# Altium PCB PCB2.PcbDoc (part 3 of 3) (continued)
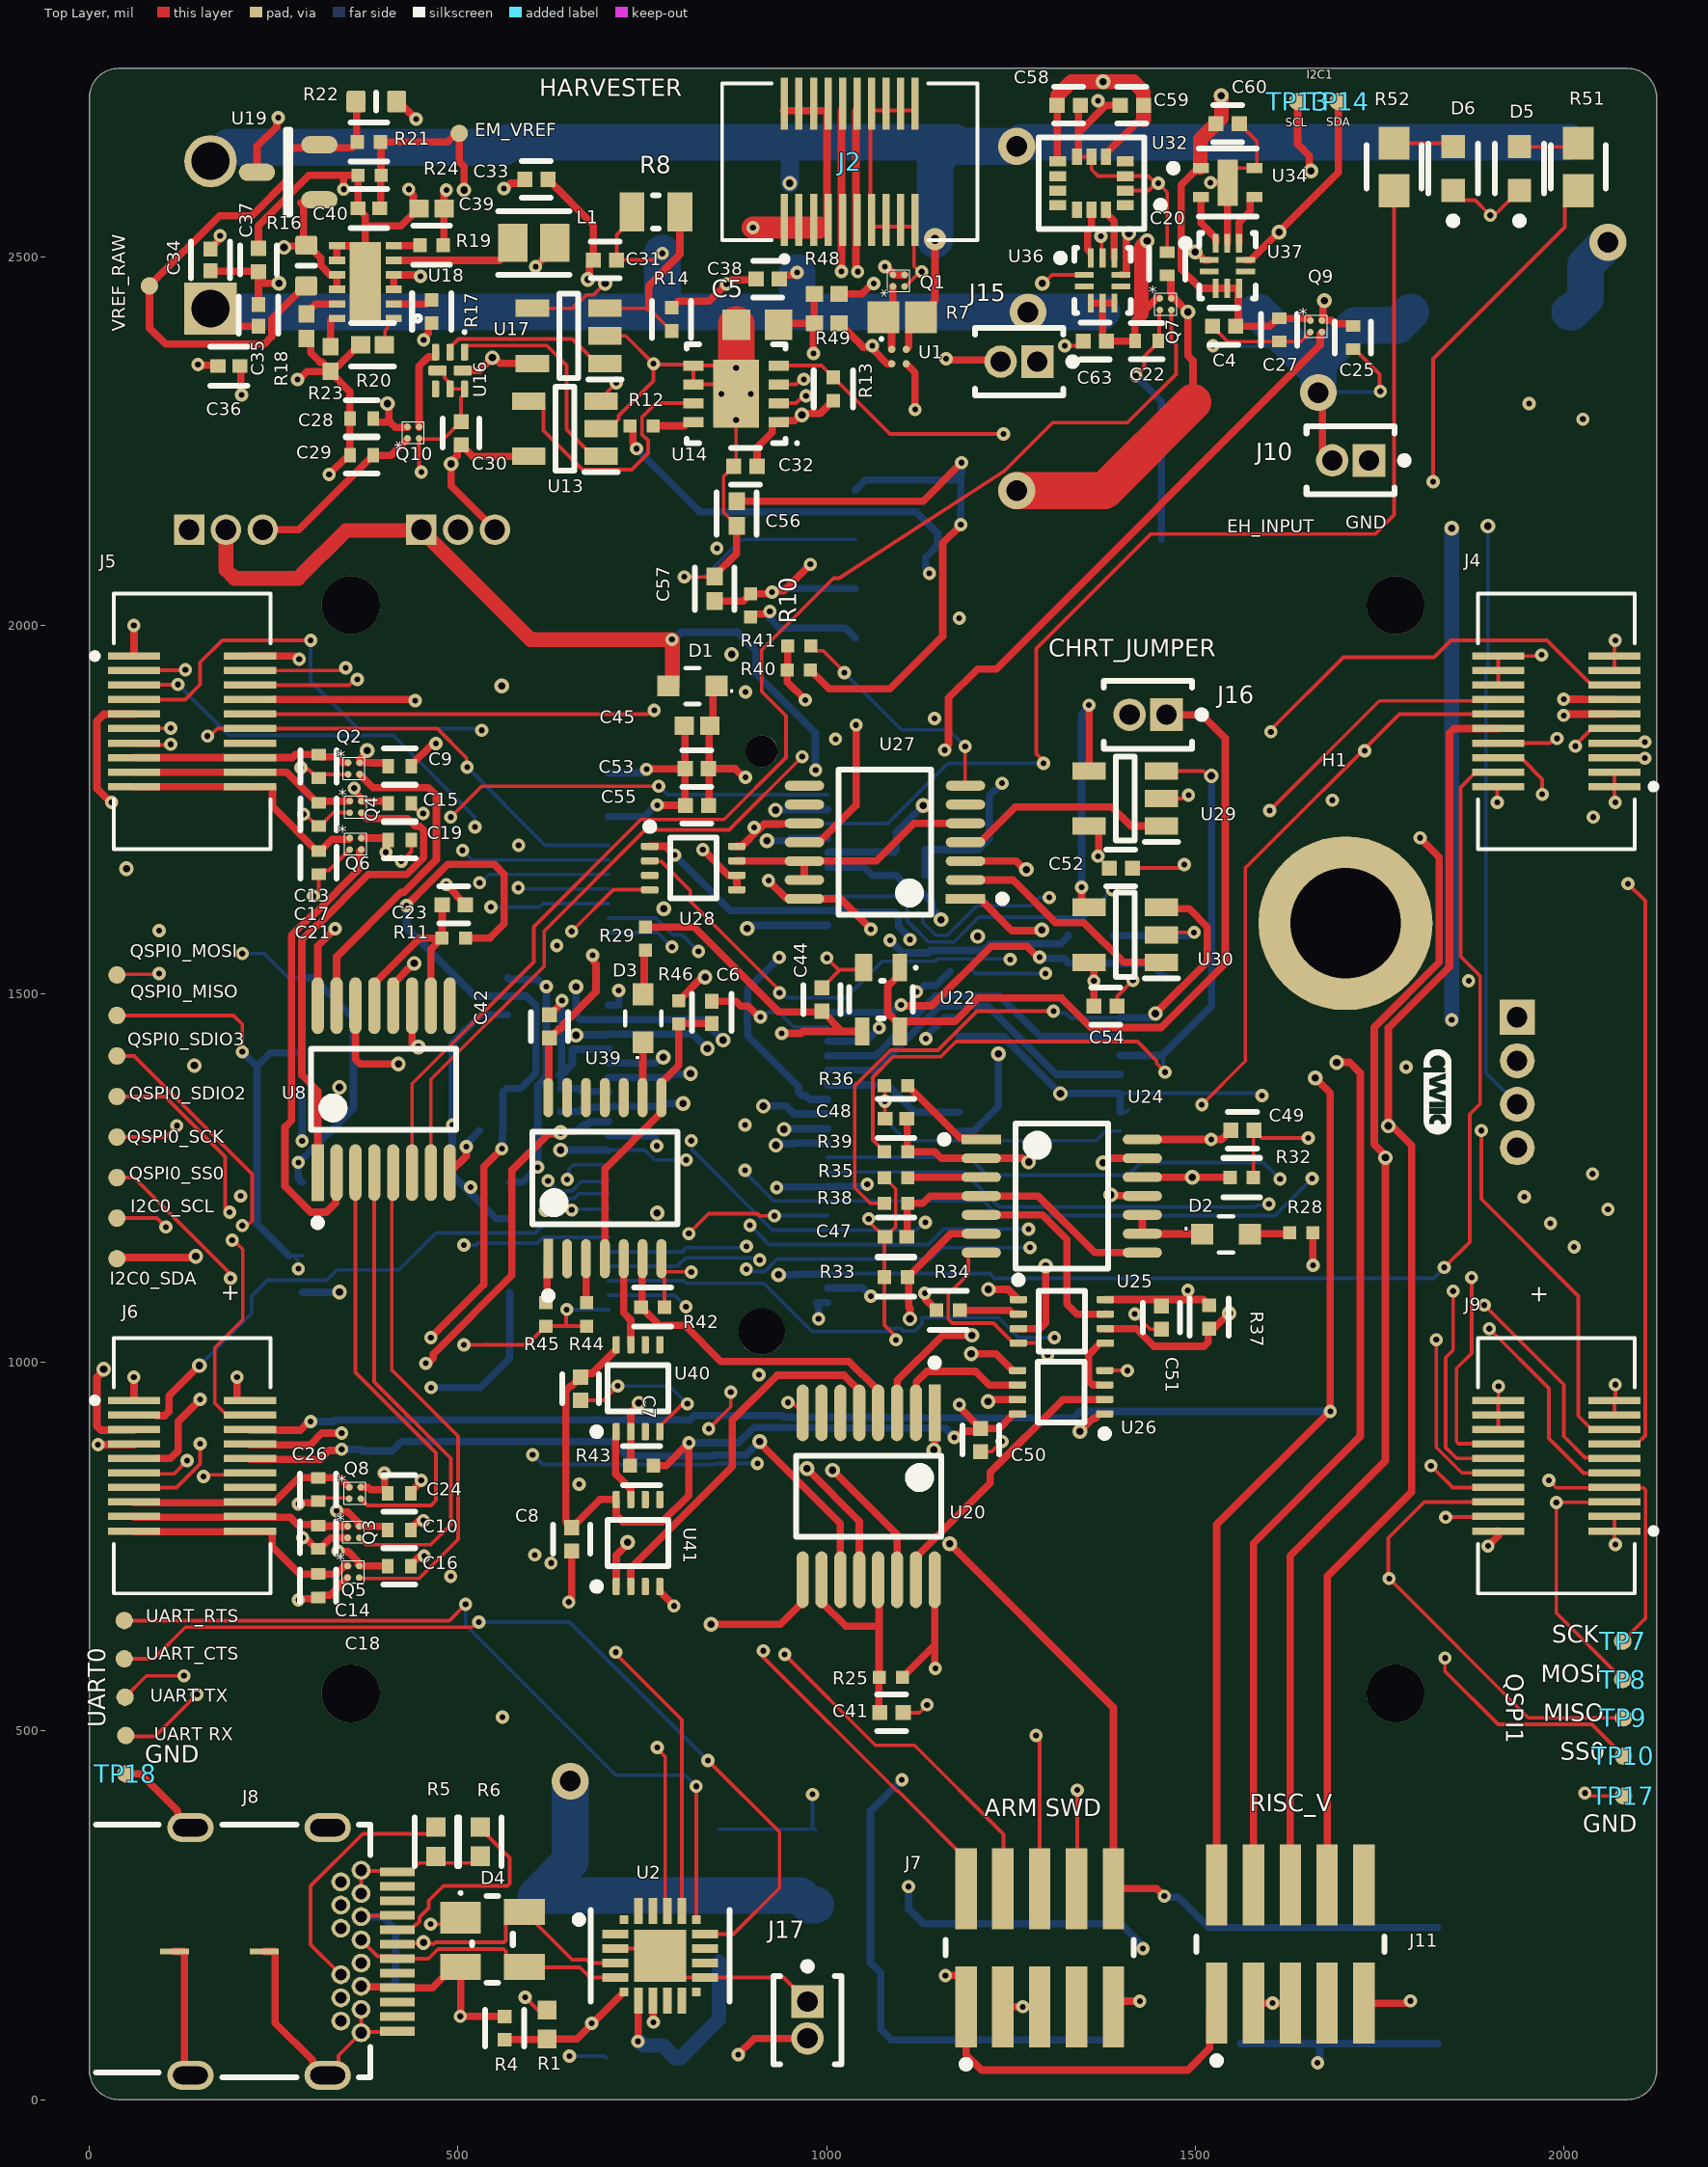
[diagram p0: Top Layer view]
## Nets (pads, with @x,y where several pads share a name; then routed paths per layer and width w, separated by ;. In a path a pad name is that pad's centre, name@x,y a point inside that pad or via, vN(x,y) a via of type N, cw(c..) or ccw(c..) an arc to the next point about the centre after c; other vN are vias at no path point) (continued)
  Int1 (GND) w5: v1(118.39,1321.41) 491.52,1321.41 v1(492.33,1322.23) ; v1(517,1237.94) 519.49,1235.46 531.67,1235.46 536,1231.13 643.63,1231.13 645.3,1232.8 654.51,1232.8 671.11,1249.4 877.49,1249.4 889.03,1260.94 v1(889.28,1260.94) ; v1(972.02,2311.48) 1205.42,2311.48 1221.45,2295.45 1522.66,2295.45 1538.17,2279.94 v1(2026.09,2279.94) ; v1(1658.68,1249.69) 1660.23,1251.24 2030.87,1251.24 2035.58,1255.94 v1(2039.09,1255.94) ; v1(2040,1740) 2040,1772 v1(2110,1842)
  Int2 (PWR) w5: v1(2026.09,2279.94) 2110,2196.04 v1(2110,1842) ; v1(2039.09,1255.94) 2039.55,1256.4 2039.55,1739.55 v1(2040,1740)
  Bottom Layer w5: v1(889.28,1260.94) 889.28,1258.25 928.29,1219.24 J1.60@1001.34,1219.24 1213.11,1219.24 1232.91,1199.44 1608.43,1199.44 v1(1658.68,1249.69)
  Bottom Layer w10: v1(517,1237.94) v1@513.08,1234.03 ; U42.6@567.09,1471.94 566.99,1471.84 530.99,1471.84 492.09,1432.94 492.09,1255.02 v1@513.08,1234.03 ; U33.6@569.93,1194.9 552.21,1194.9 v1@513.08,1234.03
QSPI0_SDIO2: J1.66 J4.8 QSPI0_SDIO2.1 | length 2856.6
  Top Layer w5: QSPI0_SDIO2.1@37.09,1360.94 102.43,1360.94 184.09,1279.28 184.09,1209.94 v1(190.09,1203.94) ; J4.8@1911.26,1840.47 1981.17,1840.47 1987.36,1846.66 v1(1990.88,1846.66) v1@1990.16,1845.94
  Int1 (GND) w5: v1(190.09,1203.94) 402.62,1203.94 415.69,1190.87 659.94,1190.87 697.51,1228.44 849.59,1228.44 892.09,1185.94 895.76,1185.94 v1(896.06,1186.24) ; v1(1274.09,1180.94) 1282.09,1188.94 v1(1982.09,1188.94)
  Int2 (PWR) w5: v1(1982.09,1188.94) 1990.88,1197.73 v1(1990.88,1846.66)
  Bottom Layer w5: v1(896.06,1186.24) 922.11,1160.19 J1.66@1001.34,1160.19 1137.89,1160.19 1158.64,1180.94 v1(1274.09,1180.94)
QSPI0_SDIO3: J1.68 J4.9 QSPI0_SDIO3.1 | length 2952.8
  Top Layer w5: QSPI0_SDIO3.1@37.09,1415.94 60.16,1415.94 220.59,1255.51 220.59,1192.44 216.09,1187.94 209.16,1187.94 v1(207.21,1186) ; v1(2015.9,1836.18) 2015.9,1837.83 2038.23,1860.16 J4.9@2068.74,1860.16
  Int1 (GND) w5: v1(207.21,1186) 407.84,1186 411.96,1181.87 663.67,1181.87 701.24,1219.44 793.59,1219.44 888.09,1124.94 889.37,1124.94 v1(891.07,1126.64) ; v1(1276.09,1155.94) 1277.09,1156.94 v1(2014.09,1156.94)
  Int2 (PWR) w5: v1(2014.09,1156.94) 2016.06,1158.91 2015,1159.97 2015,1835.27 v1(2015.9,1836.18)
  Bottom Layer w5: v1(891.07,1126.64) 894.59,1126.64 897.65,1123.58 915.96,1123.58 932.88,1140.5 J1.68@1001.34,1140.5 1141.54,1140.5 1156.98,1155.94 v1(1276.09,1155.94)
QSPI0_SS0: J1.70 J4.4 QSPI0_SS0.1 U33.1 | length 2680.8
  Top Layer w5: QSPI0_SS0.1@37.09,1250.94 60.43,1250.94 188.69,1122.68 188.69,1116.84 v1(191.18,1114.35) ; v1(1838.09,1128.94) 1872.69,1163.54 1872.69,1337.03 1886.59,1350.93 1886.59,1524.42 1860,1551.01 1860,1780.35 1880.75,1801.1 J4.4@1911.26,1801.1
  Int1 (GND) w5: v1(191.18,1114.35) 209.71,1095.82 v2(339,1095.82)
  Int1 (GND) w10: v2(339,1095.82) 907.97,1095.82 931.11,1118.96 v2(934.67,1118.96)
  Bottom Layer w5: J1.70@1000.44,1119.92 J1.70@1001.34,1120.82 1221.32,1120.82 1227.7,1114.44 1823.59,1114.44 v1(1838.09,1128.94)
  Bottom Layer w10: U33.1@288.61,1094.9 289.07,1095.36 338.54,1095.36 v2(339,1095.82) ; v2(934.67,1118.96) 959.67,1118.96 960.63,1119.92 J1.70@1000.44,1119.92
QSPI1_MISO: J1.61 J9.6 TP9.1 | length 2308.5
  Top Layer w5: J9.6@1911.26,810.79 1810.79,810.79 1762.07,762.07 1762.07,708 v1(1763.15,706.92) 1952.13,517.94 TP9.1@2081.09,517.94
  Int1 (GND) w5: v1(626.09,728) 706.62,728 713.12,721.5 1748.57,721.5 v1(1763.15,706.92)
  Int2 (PWR) w5: v1(626.09,728) 626.09,1178.94 v1(654.09,1206.94)
  Bottom Layer w5: v1(654.09,1206.94) 655.32,1208.17 702.86,1208.17 J1.61@704.09,1209.4
QSPI1_MOSI: J1.59 J9.5 TP8.1 | length 2356.5
  Top Layer w5: J9.5@2068.74,810.79 2068.35,810.39 1990.39,810.39 v1(1990,810) 1990,660.04 TP8.1@2080.09,569.94
  Int1 (GND) w5: v1(604.09,738.94) 606.58,741.43 617.61,741.43 619.67,743.5 703.85,743.5 716.85,730.5 1910.5,730.5 v1(1990,810)
  Int2 (PWR) w5: v1(604.09,738.94) 616.59,751.44 616.59,887.45 610.09,893.95 610.09,1198.19 v1(618.28,1206.37)
  Bottom Layer w5: v1(618.28,1206.37) 634.35,1222.44 656.88,1222.44 663.53,1229.09 J1.59@704.09,1229.09
QSPI1_SCK: J1.57 J9.7 TP7.1 | length 2233
  Top Layer w5: v1(1980,840) 1990,830 2108.17,830 2111.09,827.07 2111.09,652.94 TP7.1@2080.09,621.94
  Int1 (GND) w5: v1(906.09,862.94) 909.61,862.94 919.34,872.67 1130.79,872.67 1163.46,840 v1(1980,840)
  Int2 (PWR) w5: v1(601.09,874.94) 601.09,1228.01 619.72,1246.63 v1(622.03,1246.63)
  Bottom Layer w5: v1(601.09,874.94) 614.29,861.75 849.92,861.75 851.12,862.94 v1(906.09,862.94) ; v1(622.03,1246.63) 635.86,1232.8 654.51,1232.8 667.08,1245.37 700.69,1245.37 J1.57@704.09,1248.77
QSPI1_SS0: J1.55 J9.4 TP10.1 | length 2325.8
  Top Layer w5: v1(1839,599) 1839,581 1911.06,508.94 2038.09,508.94 TP10.1@2081.09,465.94 ; v1(1840,790) 1840.55,790.55 1910.71,790.55 J9.4@1911.26,791.1
  Int1 (GND) w5: v1(664.09,834.94) 664.09,795.98 720.58,739.5 1129.32,739.5 1179.82,790 v1(1840,790)
  Int2 (PWR) w5: v1(648.09,1248.3) 650.58,1245.82 650.58,1232.38 669.59,1213.37 669.59,843.96 664.09,838.46 v1(664.09,834.94) ; v1(1839,599) 1839.5,599.5 1839.5,786.17 1840,786.67 v1(1840,790)
  Bottom Layer w5: v1(648.09,1248.3) 650.58,1250.79 650.58,1262.43 656.61,1268.46 J1.55@704.09,1268.46
RESET: J1.6 J7.10 SW2.B SW2.B' | length 2186.4
  Top Layer w10: v2(1167.09,753.94) 1389.09,531.94 J7.10@1389.09,286.18 1447.86,286.18 v1(1458.09,275.94)
  Int2 (PWR) w10: v2(930.59,1749.52) 971.09,1709.02 971.09,949.94 v2(1167.09,753.94)
  Bottom Layer w10: v2(930.59,1749.52) 931.2,1750.13 1000.73,1750.13 J1.6@1001.34,1750.74 ; v1(1458.09,275.94) 1459.63,274.41 1477.08,274.41 1518.07,233.43 SW2.B@1561.38,233.43 SW2.B'@1829.09,233.43
RV_TCK: J1.41 J6.7 J11.4 | length 3490.3
  Top Layer w10: v1(11.5,888.5) 59.92,888.5 J6.7@60,888.43 ; J11.4@1579.09,291.06 1579.09,754.94 1724.09,899.94 1724.09,1392.94 1709.6,1407.44 1692.54,1407.44 v2(1692.09,1407)
  Int1 (GND) w10: v2(142.09,1402.94) 336.24,1402.94 346.87,1392.31 353.24,1385.94 749.85,1385.94 v2(778.23,1414.32) 823.03,1414.32 839.41,1397.94 967.47,1397.94 970.08,1400.55 1098.15,1400.55 1112.76,1385.94 1246.76,1385.94 1272.82,1412 1478.6,1412 1483.6,1407 v2(1692.09,1407)
  Int2 (PWR) w10: v1(11.5,888.5) 79.05,956.06 79.05,1339.9 v2(142.09,1402.94)
  Bottom Layer w10: J1.41@704.09,1406.25 767.46,1406.25 775.52,1414.32 v2(778.23,1414.32)
RV_TMS: J1.43 J6.6 J11.2 | length 3630.3
  Top Layer w10: J6.6@217.48,908.11 285.95,908.11 297.84,920 v1(300,920) ; J11.2@1529.09,291.06 1529.09,779.96 1683.36,934.23 1683.36,1365.68 v2(1663.09,1385.94)
  Int1 (GND) w10: v2(815.28,1392.01) 817.99,1392.01 826.05,1383.94 973.27,1383.94 975.88,1386.55 1092.35,1386.55 1106.96,1371.94 1252.56,1371.94 1264.56,1383.94 1399.03,1383.94 1406.98,1376 1541.45,1376 1551.39,1385.94 v2(1663.09,1385.94)
  Bottom Layer w10: v1(300,920) 332.22,920 334.54,922.33 814.93,922.33 820.61,928 939.84,928 941.9,925.94 1078.41,925.94 1079.41,924.94 1335.15,924.94 1343.99,933.78 v1(1683.36,933.78) ; J1.43@704.09,1386.57 785.28,1386.57 790.28,1391.58 814.85,1391.58 v2(815.28,1392.01)
SENSOR_VCC: C9.2 C10.1 C15.1 C16.1 C19.1 C20.1 C24.1 C25.1 J3.2 J12.2 Q2.A2 Q3.A2 Q4.A2 Q5.A2 Q6.A2 Q7.A2 Q8.A2 Q9.A2 | length 4423
  Top Layer w8: v1(359.03,1779.28) 359.03,1776.57 368.41,1767.19 368.41,1761.89 Q4.A2@368.61,1761.69
  Top Layer w10: v1(335.09,798.94) 336.63,797.41 350.42,797.41 364.09,783.74 364.09,779.69 Q3.A2@365.84,777.94 381.32,777.94 381.47,777.79 401.47,777.79 404.35,774.91 C10.1@404.35,772.94 ; v1(337.09,744.2) 337.88,743.41 350.85,743.41 364.44,729.82 364.44,725.77 366.18,724.03 403.77,724.03 C16.1@404.35,723.44 ; Q8.A2@367.97,830.82 377.94,830.82 381.47,827.29 C24.1@400,827.29 ; Q6.A2@368.61,1711.69 402.12,1711.69 C19.1@404.99,1708.82 402.12,1705.94 v1(402.12,1692.36) ; Q4.A2@368.61,1761.69 402.12,1761.69 C15.1@404.99,1758.82 ; v2(376.74,1830.32) 376.74,1828.11 366.49,1817.86 Q2.A2@366.49,1813.82 381.96,1813.82 382.12,1813.66 402.12,1813.66 404.99,1810.79 C9.2@404.99,1808.82 ; v1(400,850) C24.1@400,827.29 ; C24.1@404.35,822.44 400,826.79 C24.1@400,827.29 ; C20.1@1462.09,2475.31 1464.06,2475.31 1466.93,2472.44 1466.93,2452.44 1467.76,2451.61 Q7.A2@1467.76,2443.83 1471.54,2443.83 v2(1490.05,2425.32) 1490.05,2366.28 1497,2359.33 1497,2303 ; v2(1675.22,2440.94) 1673.31,2439.03 1673.31,2416.33 1671.97,2414.99 Q9.A2@1671.97,2413.82 1685,2413.82 1689.25,2409.57 1711.22,2409.57 C25.1@1714.09,2406.69
  Top Layer w50: v3(1258,2183) 1377,2183 1497,2303
  Int1 (GND) w20: v2@1489.3,2424.56 v2(1490.05,2425.32) ; v1(1848.09,1464.94) 1898.3,1414.74 1931.8,1414.74 J3.2@1937.01,1409.53
  Int1 (GND) w50: J12.2@500,2130 500.23,2130.23 500.23,2150.47 532.76,2183 v3(1258,2183)
  Int2 (PWR) w10: v1(335.09,798.94) 380,843.85
  Int2 (PWR) w20: v2(1675.22,2440.94) 1848.09,2268.07 v2(1848.09,2131.94)
  Int2 (PWR) w50: v1(337.09,744.2) 380,787.1 380,843.85 380,1890 500,2010 J12.2@500,2130
  Bottom Layer w20: v1(1848.09,1464.94) v2(1848.09,2131.94)
SHIFT_DATA: J1.22 U20.14 | length 1096.1
  Top Layer w10: v2(1008.09,853.94) 1095.47,766.57 U20.14@1095.47,705.32
  Int2 (PWR) w10: v2(892.09,1588.94) 892.09,1443.36 871.28,1422.55 871.28,990.76 v2(1008.09,853.94)
  Bottom Layer w10: v2(892.09,1588.94) 894.8,1588.94 899.12,1593.26 J1.22@1001.34,1593.26
SQWOUT: J1.4 J5.13 J6.13 | length 2122.8
  Top Layer w5: J6.13@60,829.37 61.1,830.47 117.85,830.47 150,862.62 v1(150,890) ; J5.13@60.26,1840.47 62.68,1838.05 96.07,1838.05 96.12,1838 109.21,1838 v1(110,1838.79) ; v1(490,1740) 531.94,1781.94 v1(772.09,1781.94)
  Int1 (GND) w5: v1(110,1838.79) 149.29,1838.79 199.89,1788.19 309.26,1788.19 315.85,1794.78 425.22,1794.78 482.93,1737.07 483.55,1737.07 486.48,1740 v1(490,1740)
  Int2 (PWR) w5: v1(110,1838.79) 110,1458.37 165.59,1402.78 165.59,905.59 v1(150,890)
  Bottom Layer w5: v1(772.09,1781.94) 772.41,1781.94 783.92,1770.43 J1.4@1001.34,1770.43
SWDCLK: J1.21 J7.4 | length 1644.6
  Top Layer w5: v1(943.09,603.94) 1066.34,480.7 1119.34,480.7 1240.09,359.94 1240.09,287.18 J7.4@1227.09,274.18
  Int2 (PWR) w5: v1(826.09,1557.94) 826.09,1539.02 818.59,1531.52 818.59,1416.36 831.78,1403.17 831.78,942.71 824.5,935.43 824.5,901.84 828.67,897.67 828.67,718.37 v1(943.09,603.94)
  Bottom Layer w5: J1.21@704.09,1603.1 768.6,1603.1 791.68,1580.02 804.01,1580.02 v1(826.09,1557.94)
SWDIO: J1.23 J7.2 | length 1600.4
  Top Layer w5: v1(914.09,608.94) 914.09,600.02 1095.67,418.44 1097.18,418.44 1189.09,326.54 J7.2@1189.09,286.18 1189.09,245.83 J7.2@1177.03,233.76
  Int2 (PWR) w5: v1(790.09,1563.94) 794.73,1559.31 794.73,1407.49 788.67,1401.42 788.67,734.37 v1(914.09,608.94)
  Bottom Layer w5: J1.23@704.09,1583.42 770.61,1583.42 v1(790.09,1563.94)
TEMP_SCL: U34.2 U37.1 | length 71
  Top Layer w10: U34.2@1507.68,2581.26 1507.68,2545.87 1528.05,2525.5 U37.1@1528.05,2518.68
TEMP_SDA: U34.3 U37.9 | length 73.6
  Top Layer w10: U37.9@1559.54,2518.68 1559.54,2546.57 1574.69,2561.71 1574.69,2579.37 1576.57,2581.26 U34.3@1580.51,2581.26
TMR3A_IOB: J1.47 J9.15 R31.1 U23.5 U23.6 U23.13 | length 1998.4
  Top Layer w5: v1(1888.19,1314.78) 1888.19,1221.81 2020,1090 2020,927.44 2038.23,909.21 J9.15@2068.74,909.21
  Int1 (GND) w5: v1(1590.57,1362.2) 1615.32,1337.44 1750.26,1337.44 1782.56,1337.45 1801.7,1318.3 1878.76,1318.3 1879.79,1317.27 1885.7,1317.27 v1(1888.19,1314.78)
  Int1 (GND) w10: v2(805.17,1351.53) 891.06,1351.53 906.35,1366.82 994.46,1366.82 1000.19,1372.55 1086.55,1372.55 1101.16,1357.94 1258.36,1357.94 1265.36,1364.94 v2(1317.11,1364.94)
  Bottom Layer w5: U23.6@1398.36,1339.76 1405.75,1339.76 U23.6@1409.64,1343.65 ; U23.5@1398.36,1365.35 1583.89,1365.35 1587.05,1362.2 v1(1590.57,1362.2)
  Bottom Layer w10: R31.1@639.09,1340.11 663.4,1340.11 669.58,1346.3 703.19,1346.3 J1.47@704.09,1347.2 704.23,1347.34 775.17,1347.34 779.35,1351.53 v2(805.17,1351.53) ; U23.13@1179.83,1442.13 1239.93,1442.13 v2(1317.11,1364.94) ; v2@1317.11,1365.35 U23.5@1398.36,1365.35 U23.6@1398.36,1339.76
UART0_CTS: J1.15 J5.5 U2.15 UART_CTS.1 | length 3045.7
  Top Layer w5: UART_CTS.1@47.09,597.94 87.09,597.94 130.09,640.94 518.67,640.94 525.67,647.94 v1(528.09,647.94) ; J5.5@60.26,1919.21 60.65,1919.61 119.61,1919.61 v1(120,1920) ; U2.15@835.18,224.5 873.5,224.5 936,287 936,363 v1(839,460)
  Int2 (PWR) w5: v1(522.76,1726.79) 522.76,1661.8 529.09,1655.46 v1(529.09,1650.94) 529.09,1281.94 532.5,1278.54 532.5,967.2 529.35,964.06 529.35,649.2 v1(528.09,647.94)
  Bottom Layer w5: v1(120,1920) 189.06,1850.94 412.09,1850.94 523.09,1739.94 523.09,1727.12 v1(522.76,1726.79) ; v1(528.09,647.94) 651.06,647.94 v1(839,460) ; v1(529.09,1650.94) 530.99,1650.94 542.21,1662.16 J1.15@704.09,1662.16
UART0_RTS: J1.13 J5.4 U2.16 UART_RTS.1 | length 2782.6
  Top Layer w5: UART_RTS.1@47.09,649.94 488.09,649.94 v1(510.09,671.94) ; J5.4@217.74,1938.9 340.53,1938.9 344.06,1942.43 v1(347.57,1942.43) ; v1(823,425) 823.19,424.81 823.19,244.37 U2.16@823.37,244.19
  Int1 (GND) w5: v1(347.57,1942.43) 347.57,1898.47 447.87,1798.17 453.75,1798.17 506.09,1745.83 v1(506.09,1694.94)
  Int2 (PWR) w5: v1(506.09,1694.94) 507.83,1693.21 507.83,1315.81 495.69,1303.66 495.69,1286.62 501.5,1280.8 501.5,1231.52 523.5,1209.52 523.5,993.7 520.35,990.55 520.35,818.38 509.09,807.13 509.09,672.94 v1(510.09,671.94)
  Bottom Layer w5: v1(506.09,1694.94) 519.19,1681.84 J1.13@704.09,1681.84 ; v1(510.09,671.94) 510.09,644.02 714.12,440 808,440 v1(823,425)
UART0_RX: "UART RX.1" J1.19 J5.7 J7.8 U2.18 | length 3926.4
  Top Layer w5: 47.34,492.94 88.89,492.94 v1(145.67,549.72) ; J5.7@60.26,1899.53 129.53,1899.53 150,1920 150,1950 180,1980 v1(300,1980) ; v1(560.09,518.94) v1@561.09,518.94 ; v1(770.25,477.83) 770.25,476 781,465.25 781,259 U2.18@784,256 ; J7.8@1335.09,282.18 1340.09,287.18 v1(1340.09,419.94)
  Int1 (GND) w5: v1(145.67,549.72) 213.89,617.94 461.09,617.94 v1(560.09,518.94) 601.09,477.94 770.13,477.94 v1(770.25,477.83) ; v1@770.25,477.94 1301.09,477.94 1340.09,438.94 v1(1340.09,419.94)
  Int2 (PWR) w5: v1(532,1857.85) 532.09,1857.75 532.09,1745.94 544.59,1733.44 544.59,1624.96 541.09,1621.46 v1@541.09,1617.94 ; v1(544.59,1617.94) 543.59,1616.95 543.59,1075.44 560.09,1058.95 v1(560.09,518.94)
  Bottom Layer w5: v1(300,1980) 300,1924.12 364.17,1859.94 529.9,1859.94 v1(532,1857.85) ; v1(544.59,1617.94) 610.87,1617.94 615.72,1622.79 J1.19@704.09,1622.79
UART0_TX: "UART TX.1" J1.17 J5.6 J7.6 U2.17 | length 3679.8
  Top Layer w5: 48.09,545.94 77.09,574.94 v1(128.09,574.94) ; J5.6@217.74,1919.21 351.95,1919.21 359.61,1926.87 v1(363.13,1926.87) ; v1(714.03,606.89) 714.03,605 803.69,515.35 U2.17@803.69,256 ; v1(1284.09,493.94) 1289.09,488.94 J7.6@1289.09,286.18
  Int1 (GND) w5: v1@128.09,573.21 186.83,631.94 687.09,631.94 v1@713.09,605.94 ; v1(363.13,1926.87) 363.13,1923.89 582.09,1704.93 v1(582.09,1701.94) ; v1(714.03,606.89) 714.03,605 825.09,493.94 v1(1284.09,493.94)
  Int2 (PWR) w5: v1(582.09,1701.94) 581.84,1701.69 581.84,1644.35 v1(581.59,1644.09) 581.59,1468.74 647.09,1403.23 647.09,1327.62 679.59,1295.12 679.59,639.44 712.15,606.89 v1(714.03,606.89)
  Bottom Layer w5: v1(581.59,1644.09) 574.95,1644.09 576.56,1642.47 J1.17@704.09,1642.47
USB_D_N: D4.3 J8.A7 J8.B7 U2.5 | length 381
  Top Layer w5: J8.B7@368.35,216.69 390.53,194.51 414.15,194.51 418.16,190.5 418.76,191.1 459.83,191.1 472.94,204.22 561.78,204.22 565,201 565,195.22 580.22,180 D4.3@590,180 590,179.56 665.28,179.56 679.39,165.45 U2.5@713.13,165.45
USB_D_P: D4.4 J8.A6 J8.B6 U2.4 | length 453.7
  Top Layer w5: J8.A6@417.56,210.79 418.67,211.89 451.89,211.89 v2(453,213) 454.43,211.57 467.57,211.57 469.22,213.22 562.01,213.22 564.94,216.15 564.94,239.59 580.16,254.8 D4.4@590,254.8 654.8,190 674.53,190 679.39,185.13 U2.4@713.13,185.13
  Int1 (GND) w4: J8.B6@368.35,185.2 396.15,213 v2(453,213)
USB_VCC: C2.2 D4.2 J8.A4 J8.A9 J8.B4 J8.B9 J17.2 R4.1 U2.7 U3.3 | length 877.1
  Top Layer w5: J8.B9@368.35,248.19 369.33,249.17 416.57,249.17 J8.A4@417.56,250.16
  Top Layer w10: J8.B4@368.35,153.7 369.41,152.64 416.65,152.64 J8.A9@417.56,151.73 465.28,151.73 493.54,180 D4.2@503.39,180 503.39,113.39 v1(503,113) 503.08,112.92 562.92,112.92 R4.1@563,112.83 ; v1(744,79) 744.32,79.32 744.32,133.64 U2.7@744.63,133.95 ; v1(880,61) 902,83 J17.2@974,83
  Bottom Layer w10: J8.B4@368.35,153.7 409.14,153.7 415,159.56 415,231 398,248 368.54,248 J8.B9@368.35,248.19
  Bottom Layer w20: v1(744,79) 746.16,79 751.92,73.24 778,73.24 C2.2@795.24,56 800.95,56 854.03,109.08 U3.3@854.03,187.24
VCC_1: C13.1 J5.15 J5.16 Q2.A1 | length 296.9
  Top Layer w10: J5.15@60.26,1820.79 274.93,1820.79 279.14,1825 310.3,1825 313.61,1821.69 335.58,1821.69 343.45,1813.82 Q2.A1@350.74,1813.82
VCC_2: C17.2 J5.17 J5.18 Q4.A1 | length 280.3
  Top Layer w10: J5.17@60.26,1801.1 J5.18@187.31,1801.1 ; J5.18@217.74,1801.1 217.82,1801.02 267.31,1801.02 308.77,1759.57 310.91,1761.7 Q4.A1@352.95,1761.7
VCC_3: C21.2 J5.19 J5.20 Q6.A1 | length 351.4
  Top Layer w10: J5.19@60.26,1781.42 J5.20@217.74,1781.42 248.09,1781.42 248.17,1781.34 248.17,1754.41 308.77,1693.82 C21.2@310.74,1693.82 312.71,1693.82 328.89,1710 Q6.A1@352.86,1710
VCC_4: C26.2 J6.15 J6.16 Q8.A1 | length 311.6
  Top Layer w10: J6.15@60,809.68 250.04,809.68 284.04,843.69 339.35,843.69 Q8.A1@352.22,830.82
VCC_5: C14.2 J6.17 J6.18 Q3.A1 | length 295.1
  Top Layer w10: J6.17@60,790 217.48,790 272.33,790 281.94,780.39 308.4,780.39 C14.2@310.09,778.69 310.84,777.94 Q3.A1@350.09,777.94
VCC_6: C18.2 J6.19 J6.20 Q5.A1 | length 330.5
  Top Layer w10: J6.19@60,770.31 217.48,770.31 247.83,770.31 247.91,770.24 247.91,750.28 285.25,712.94 C18.2@310.09,712.94 334.94,712.94 346.02,724.03 Q5.A1@350.44,724.03
VCC_7: C22.2 C58.2 C59.1 C63.1 Q7.A1 U32.5 U32.8 U36.4 U36.5 U36.6 | length 648.7
  Top Layer w10: C58.2@1313.12,2705.42 1313.12,2630.07 U32.8@1313.64,2629.55 ; U36.4@1358.65,2437.46 U36.5@1374.39,2437.46 ; U32.5@1379.09,2635.94 1379.09,2640.37 1424.61,2685.89 1424.61,2700.71 C59.1@1429.84,2705.94 ; U36.6@1390.14,2437.46 U36.5@1374.39,2437.46 ; Q7.A1@1451.22,2443.82 1447.84,2443.82 1427.09,2423.08 1418.35,2414.33 C22.2@1418.35,2385.94 C63.1@1379.84,2385.94 1374.39,2391.39 U36.5@1374.39,2437.46
  Top Layer w20: C58.2@1313.12,2705.42 1313.12,2718.97 1332.09,2737.94 v2(1375.09,2737.94) 1416.09,2737.94 1429.61,2724.43 1429.61,2706.18 C59.1@1429.84,2705.94 1429.84,2685.89 ; 1427.09,2423.08 1427.09,2514.16 v2(1434.97,2522.04)
VCC_8: C4.1 C27.2 C60.1 Q9.A1 U34.1 U37.4 U37.5 U37.6 | length 509.4
  Top Layer w10: U34.1@1506.85,2621.46 1504.57,2621.46 1480.93,2597.82 1480.93,2483.52 1506.98,2457.46 U37.4@1528.05,2457.46 U37.5@1543.8,2457.46 U37.6@1559.54,2457.46 1558.48,2456.4 1558.48,2409.58 C4.1@1554.84,2405.94 1601.38,2405.94 1612.13,2416.69 C27.2@1614.09,2416.69 1653.35,2416.69 Q9.A1@1656.22,2413.82
  Top Layer w20: U34.1@1506.85,2621.46 1506.85,2659.45 C60.1@1528.35,2680.94 1535.61,2688.2 1535.61,2718.41 v2(1535.17,2718.85)
VCHARGE: C44.1 R28.1 R29.1 U22.3 | length 1690.4
  Top Layer w10: R29.1@754.09,1590.94 820.09,1590.94 935.09,1475.94 992.79,1475.94 C44.1@993.61,1476.77 1021.17,1449.21 ; v1(938.86,1446.73) 965.37,1446.73 967.86,1449.21 1021.17,1449.21 ; U22.3@1048.02,1449.21 1021.17,1449.21 ; R28.1@1659.84,1175.94 1659.88,1175.9 v1(1659.92,1131.94) v1(1659.92,1131.94)
  Int1 (GND) w10: v1(938.86,1446.73) 941.02,1446.73 953.8,1433.94 1084.55,1433.94 1118.56,1399.94 1240.96,1399.94 1267.02,1426 1760.04,1426 1785.09,1400.94 v1(1786.09,1400.94)
  Int2 (PWR) w10: v1(1659.92,1131.94) 1660.16,1132.18 1661.33,1132.18 1786.09,1256.94 v1(1786.09,1400.94)
VINT: C52.2 C54.2 C57.1 R10.2 U27.11 U29.5 U30.5 U31.2 | length 1386.4
  Top Layer w10: C57.1@848,2033 887,2033 R10.2@897,2043 923.63,2043 v1(925.84,2045.22) 927.37,2046.75 941.75,2046.75 v1(978,2083) ; U27.11@969.83,1705.94 989.8,1705.94 1040,1756.14 v1(1040,1865) ; U30.5@1355.85,1542.95 1362.67,1536.14 v1(1362.67,1517.76) C54.2@1362.67,1483.7 ; v1@1369.09,1686.94 U29.5@1369.09,1727
  Int1 (GND) w10: v1(1040,1865) 1042.16,1865 1051.16,1856 1199.04,1856 v1(1368.09,1686.94) 1368.09,1684.78 1364,1680.69 1364,1519.09 v1(1362.67,1517.76)
  Int2 (PWR) w10: v1(978,2083) 1042,2019 1042,1906.81 1040,1904.81 v1(1040,1865)
  Bottom Layer w10: v1(925.84,2045.22) 928.01,2045.22 932.86,2050.07 U31.2@1038.97,2050.07
VREF: R40.1 R41.1 U29.4 U30.4 | length 844.9
  Top Layer w10: R41.1@947.29,1972.12 946.99,1971.83 946.99,1939.79 R40.1@946.7,1939.5 946.7,1923.34 v1(971.09,1898.94) ; v6(1346,1645) 1346,1624.57 1352.81,1617.76 U30.4@1355.85,1617.76 ; U29.4@1355.85,1802.76 1356,1802.91 v1(1356,1892)
  Int1 (GND) w10: v1(971.09,1898.94) 1346.89,1898.94 1353.84,1892 v1(1356,1892)
  Bottom Layer w10: v6(1346,1645) 1346,1879.84 1356,1889.84 v1(1356,1892)
pads on no net: H1.1 J1.3 J1.5 J1.9 J1.16 J1.A1 J1.A2 J1.MH1 J1.MH2 J5.14 J6.14 J7.7 J8.A2 J8.A3 J8.A8 J8.A10 J8.A11 J8.B2 J8.B3 J8.B8 J8.B10 J8.B11 J11.7 J11.10 U2.1 U2.2 U2.9 U2.10 U2.11 U2.13 U2.14 U2.19 U2.20 U8.9 U16.5 U20.6 U20.7 U23.10 U23.11 U23.12 U27.6 U27.8 U27.9 U28.3 U31.5 U32.1 U32.4 U32.9 U32.10 U32.11 U32.12 U33.3 U33.7 U36.3 U36.7 U37.3 U37.7 U39.2 U39.10 U39.11 U39.12 U39.13 U40.3 U40.5 U40.6 U41.3 U41.5 U41.6 U42.3 U42.7
copper on no net:
  other v4: 354.33,551.18 1771.65,551.18 354.33,2027.56 1771.65,2027.56

## Polygon pours and split planes (outlines as drawn)
MICRO_VCC on Int2 (PWR) "MICRO_VCC_L03_P015" (solid, pour order 15): 0,0 0,2755.91 2125.98,2755.91 2125.98,0
CHRT_VIN on Int2 (PWR) "CHRT_VIN_L03_P014" (solid, pour order 14): 589.09,1935.94 1578.09,1935.94 1578.09,840.94 589.09,840.94
EH_VIN on Int2 (PWR) "EH_VIN_L03_P002" (solid, pour order 2): 0.09,2715.94 40.09,2755.94 1249.09,2755.94 1249.09,2294.94 0.09,2294.94
SENSOR_VCC on Int2 (PWR) "SENSOR_VCC_L03_P013" (solid, pour order 13): 264.09,870.94 264.09,665.94 379.09,665.94 380.09,666.94 380.09,870.94
VCC_7 on Int2 (PWR) "VCC_7_L03_P007" (solid, pour order 7): 1254.09,2460.94 1254.09,2755.94 1484.09,2755.94 1484.09,2461.94
SENSOR_VCC on Int2 (PWR) "SENSOR_VCC_L03_P011" (solid, pour order 11): 384.09,1845.94 274.09,1845.94 274.09,1660.94 384.09,1660.94
SENSOR_VCC on Int2 (PWR) "SENSOR_VCC_L03_P006" (solid, pour order 6): 1251.09,2294.94 2125.98,2294.94 2125.98,2456.94 1250.85,2456.94
VCC_8 on Int2 (PWR) "VCC_8_L03_P008" (solid, pour order 8): 2086.09,2755.94 2126.09,2715.94 2126.09,2461.94 1489.09,2461.94 1489.09,2755.94
USB_VCC on Int2 (PWR) "USB_VCC_L03_P000" (solid, pour order 0): 0.09,38.94 39.09,-0.06 1063.09,-0.06 1063.09,393.94 0.09,393.94
GND on Int1 (GND) "GND_L02_P017" (solid, pour order 17): 0,39.37 ccw(c39.37,39.37) 39.37,0 2086.61,0 ccw(c2086.61,39.37) 2125.98,39.37 2125.98,2716.54 ccw(c2086.61,2716.54) 2086.61,2755.91 39.37,2755.91 ccw(c39.37,2716.54) 0,2716.54

## Silkscreen, mask and mechanical layers (free items; w line width, h text height)
Top Overlay:
  region: 879 vertices and 4 holes, not listed, extent 1810.25,1309.69 1847.63,1424.91
  text "I2C1" at 1651,2738 h20
  text "HARVESTER" at 610,2710 h40
  text "SDA" at 1678.09,2673.94 h20
  text "SCL" at 1622.09,2672.94 h20
  text "GND" at 1704,2125.32 h30
  text "EH_INPUT" at 1543,2120.3 h30
  text "CHRT_JUMPER" at 1301,1950.1 h40
  text "+" at 178.09,1076.94 h40
  text "+" at 1953.09,1074.94 h40
  text "SCK" at 1984.09,612.37 h40
  text "QSPI1" at 1913.98,578 h40 r270
  text "MOSI" at 1969.09,558.37 h40
  text "UART0" at 29.57,505 h40 r90
  text "MISO" at 1972.09,505.37 h40
  text "SS0" at 1995.09,453.37 h40
  text "GND" at 75.09,449.37 h40
  text "RISC_V" at 1574.09,383.05 h40
  text "ARM SWD" at 1214.08,376.37 h40
  text "GND" at 2026.09,354.94 h40
Bottom Overlay:
  drawing of 3 lines, arcs and shapes, not listed
  text "+" at 1657.09,2594.94 h30
  text "-" at 1664.09,2300.94 h30
  text "MICRO" at 130,2180.32 h30
  text "EM_VCC" at 605,2117.3 h30
  text "LDO" at 18,2116.43 h40
  text "MICRO" at 304,2116.32 h30
  text "SENSOR" at 450,2055.32 h30
  text "EM_VOUT" at 215,2052.3 h30
  text "FRAM RESET" at 1409.09,351.37 h40
  text "MICRO RESET" at 1804.09,351.37 h40
Mechanical 1:
  lines w1: 148.05,380.59 149.29,380.59 149.17,380.72 ; 149.17,380.72 cw(c148.45,368.92) 149.17,357.12 124.58,357.12 cw(c125.3,368.92) 124.58,380.72 149.17,380.72 ; 0,39.37 ccw(c39.37,39.37) 39.37,0 2086.61,0 ccw(c2086.61,39.37) 2125.98,39.37 2125.98,2716.54 ccw(c2086.61,2716.54) 2086.61,2755.91 39.37,2755.91 ccw(c39.37,2716.54) 0,2716.54 0,39.37 ; 124.48,21.12 cw(c125.2,32.92) 124.48,44.72 149.07,44.72 cw(c148.35,32.92) 149.07,21.12 124.48,21.12 ; 310.78,21.02 cw(c311.5,32.82) 310.78,44.62 335.37,44.62 cw(c334.65,32.82) 335.37,21.02 310.78,21.02 ; 310.78,357.22 cw(c311.5,369.02) 310.78,380.82 335.37,380.82 cw(c334.65,369.02) 335.37,357.22 310.78,357.22
Mechanical 12:
  lines w3.94: -0.91,393.7 2126.09,393.94 ; 1.09,2365.94 2125.09,2365.94 ; 44.09,1350.94 2125.09,1349.94

## Dimensions
2125.98,2716.54 to 0.71,2733.88 on Mechanical 12
2086.61,2755.91 to 2086.61,0 on Mechanical 12

## Text inside footprints (layer, text, board x,y; h text height)
J8: Top 3D Body "PCB Edge" at -36.38,267.87 h24 r270
Q1: Top Overlay "*" at 1096.58,2444.65 h30 r90
Q2: Top Overlay "*" at 335.38,1807.24 h30
Q3: Top Overlay "*" at 334.74,771.37 h30
Q4: Top Overlay "*" at 337.6,1755.13 h30
Q5: Top Overlay "*" at 334.71,717.45 h30
Q6: Top Overlay "*" at 337.51,1705.12 h30
Q7: Top Overlay "*" at 1436.66,2437.25 h30
Q8: Top Overlay "*" at 336.84,824.34 h30
Q9: Top Overlay "*" at 1640.87,2407.24 h30
Q10: Top Overlay "*" at 437.8,2238.57 h30 r90